# Altium PCB ESP32_ExtendBoard.PcbDoc
Units mm, origin at the board's own origin, x right, y up, seen from the top; angles counter-clockwise.
Board outline 62.23 x 50.8 mm, 2 copper layers (Top Layer, Bottom Layer), stack 1.071 mm thick; 15 components, 24 nets, 136 pads, 53 vias.
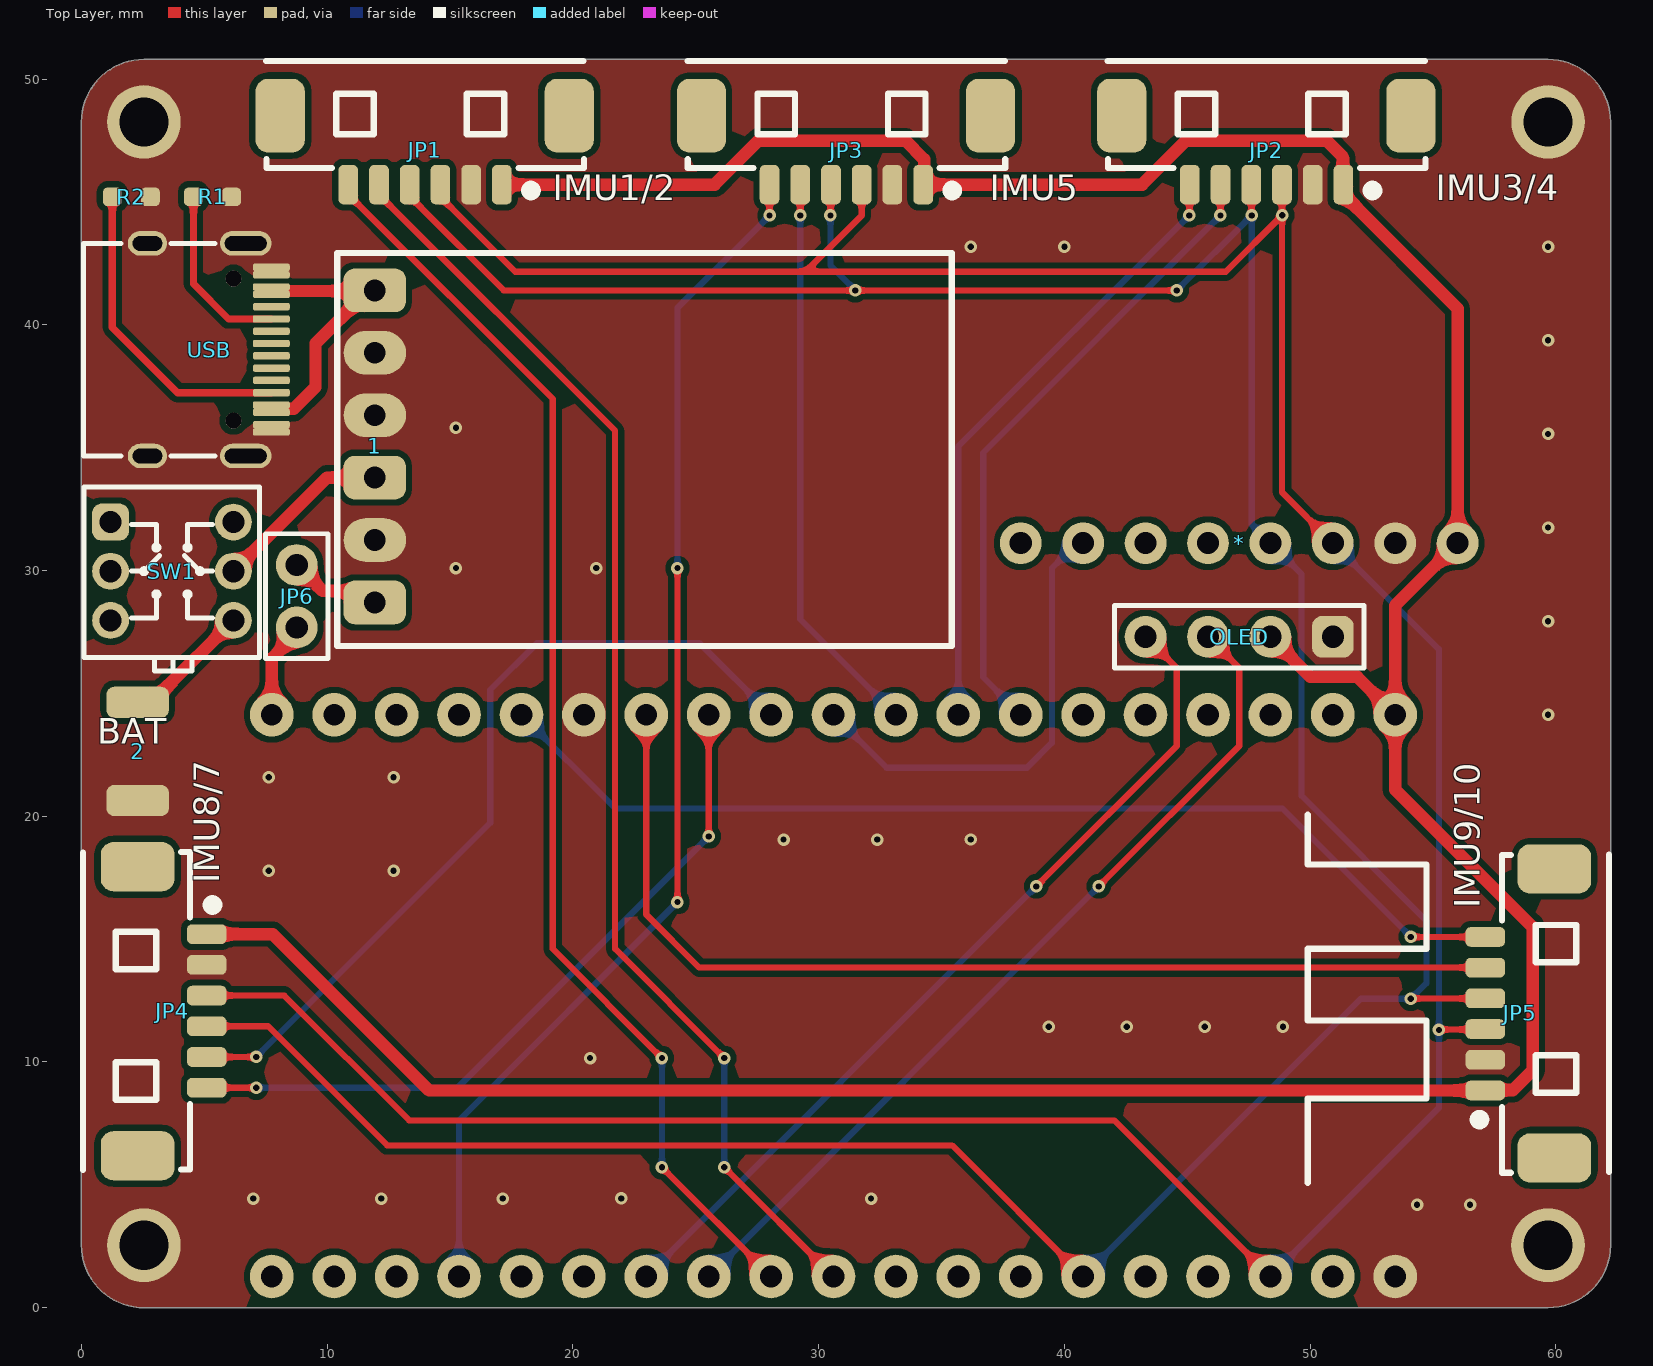
[diagram p0: Top Layer view]
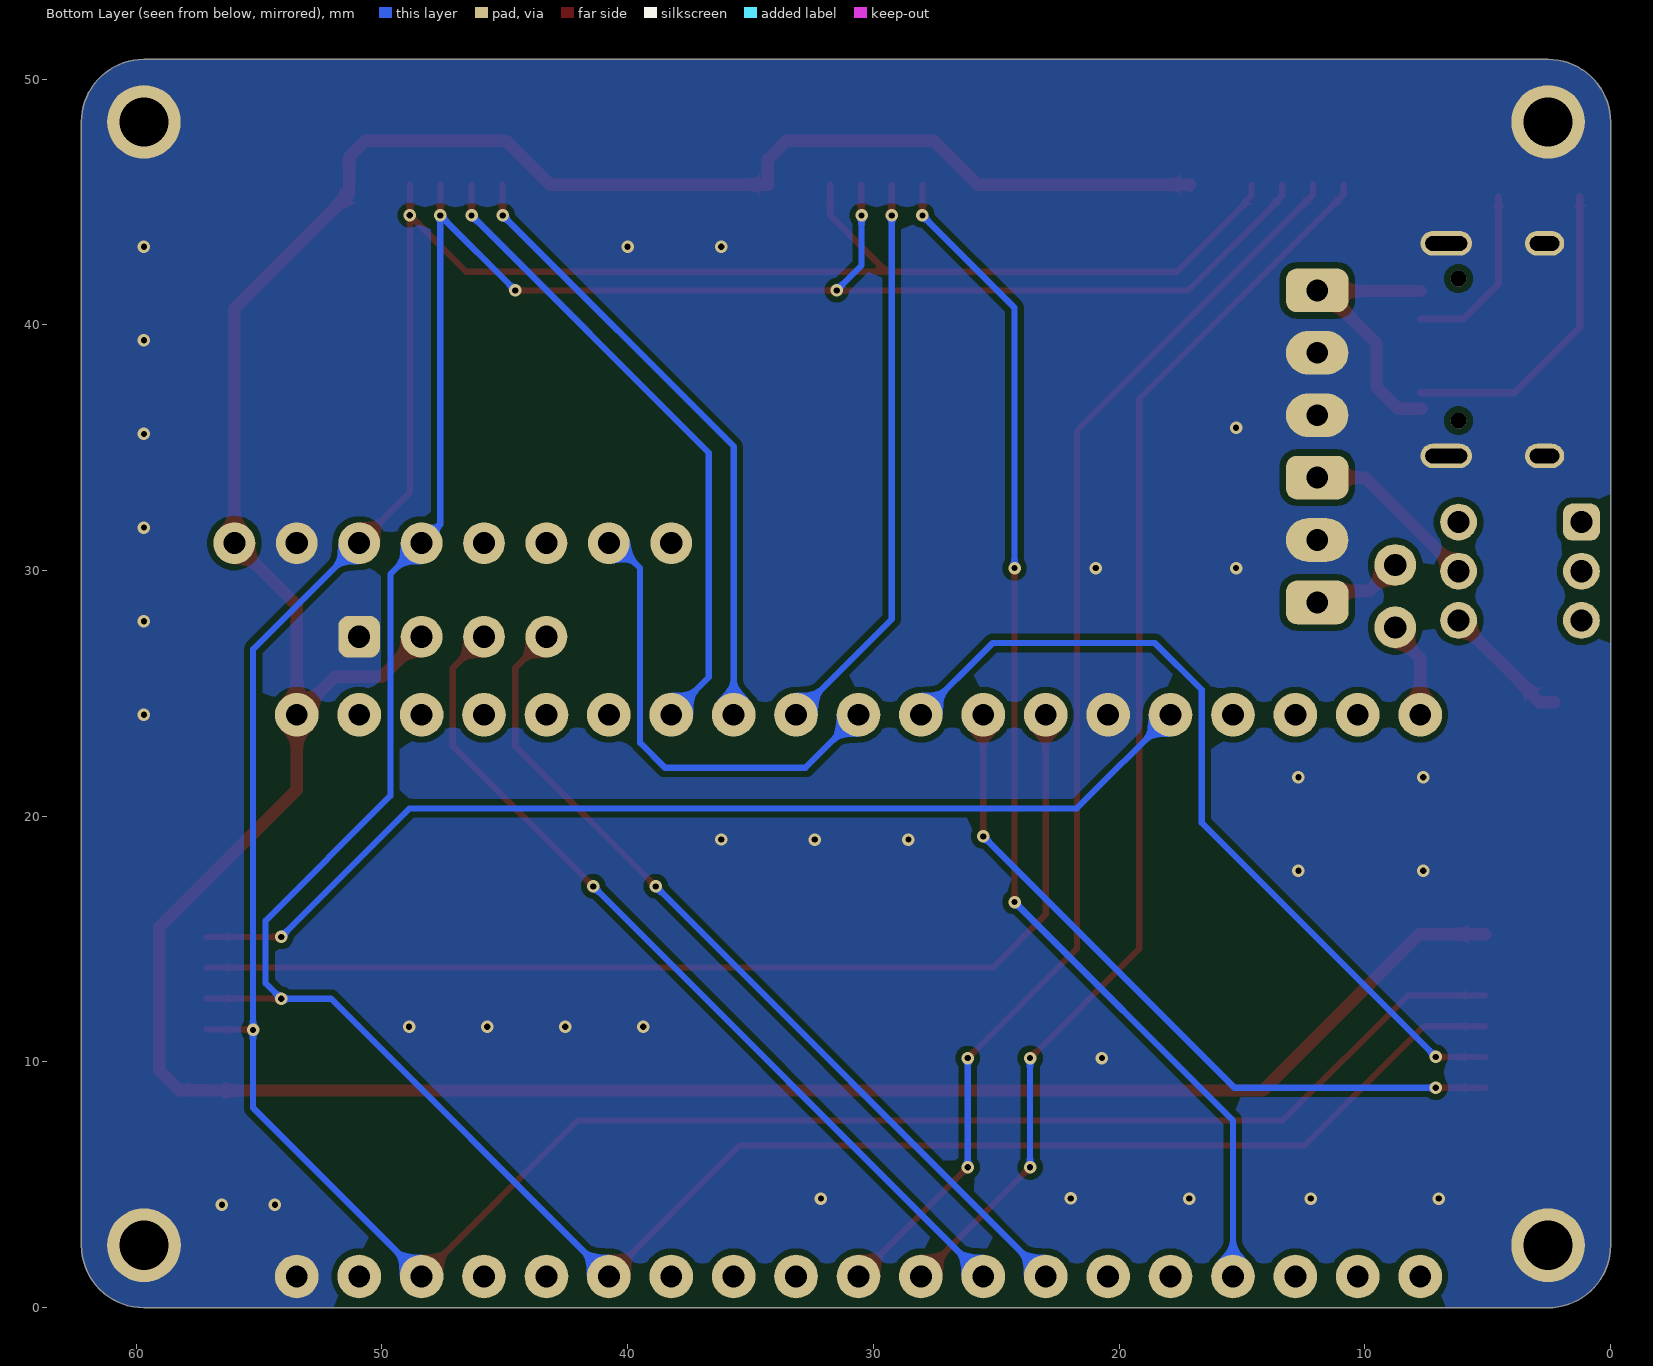
[diagram p1: Bottom Layer view, seen from below]

## Layer stack, top to bottom
Top Solder: solder mask 0.0102, Solder Resist, Dk 3.5
Top Layer: signal copper 0.0356
Dielectric 1: dielectric 1, FR-4, Dk 4.8
Bottom Layer: signal copper 0.0356
Bottom Solder: solder mask 0.0102, Solder Resist, Dk 3.5

## Board outline
2.54,-0.002 cw(c2.54,2.54) -0.002,2.54 0,2.542 0,48.26 cw(c2.542,48.26) 2.542,50.802 2.542,50.8 59.69,50.8 cw(c59.69,48.258) 62.232,48.258 62.23,48.26 62.23,2.54 cw(c59.688,2.54) 59.688,-0.002

## Design rules (kind name [scope] priority, off if disabled: settings)
Clearance [All] p1: gap=0.254 ignorepadtopadclearanceinfootprint=FALSE except(0: Arc-Hole Track-Hole SMDPad-Hole THPad-Hole Via-Hole Fill-Hole Poly-Hole Region-Hole Text-Hole; 0.152: Arc-SMDPad Track-SMDPad SMDPad-SMDPad)
PolygonConnect [All] p1: connectstyle=Direct reliefconductorwidth=0.254 reliefentries=4 polygonreliefangle="90 Angle" airgapwidth=0.254
RoutingVias [All] p1: holewidth=0.711 width=1.27 viastyle="Through Hole" minholewidth=0.711 minwidth=1.27 maxholewidth=0.711 maxwidth=1.27
SolderMaskExpansion [All] p1: expansion=0.102 istentingtop=FALSE
Width [All] p1: maxlimit=1.27 minlimit=0.254 preferedwidth=0.254 minimp=50.000000 maximp=50.000000 favimp=50.000000
30 further rules are at their usual default settings.

## Classes and differential pairs
component class ESP32_ExtendBoard: 1 2 * JP1 JP2 JP3 JP4 JP5 JP6 OLED R1 R2 SW1 USB

## Components (designator, comment, footprint, x,y, rotation, side; value= is the part's Value field where it differs from the comment)
1 "BAT-Manager-5V" BAT-Manager-5V 11.938,41.402 r180 top
2 "Battery" Battery 2.286,24.638 r180 top
* "MPU6050" PCBComponent_1 38.227,31.115 r0 top
JP1 "HDR-1X6" "MX 1.25-WS-6P" 13.97,48.514 r180 top
JP2 "HDR-1X6" "MX 1.25-WS-6P" 48.22,48.514 r180 top
JP3 "HDR-1X6" "MX 1.25-WS-6P" 31.115,48.514 r180 top
JP4 "HDR-1X6" "MX 1.25-WS-6P" 2.286,12.065 r270 top
JP5 "HDR-1X6" "MX 1.25-WS-6P" 59.944,11.978 r90 top
JP6 "HDR-1X2" HDR2.54-LI-2P 8.763,28.956 r270 top
OLED "HDR-1X4" HDR2.54-M-LI-4P 47.117,27.305 r180 top
R1 "5.1K" "R 0603_L" 5.334,45.212 r180 top
R2 "5.1K" "R 0603_L" 2.032,45.212 r180 top
SW1 "KFC 7X7" "KFC DIP-7X7" 3.683,29.972 r270 top
USB "Type-C-16p" Type-C-TOP 5.207,38.989 r180 top
? "NodeMCU-32S" NodeMCU-32S 7.747,24.13 r270 top locked

## Footprints (in the part's own frame and the unit in brackets; to place one, negate y for a bottom-side part, rotate by r counter-clockwise, add the part's x,y. Pads: shape width x height; smd on the part's side, far side on the other; paste and mask are expansions set on the pad)
BAT-Manager-5V [mil]
  rrect50% 100x70 hole 35: 1(0,0) 4(0,300) 6(0,500)
  oval 100x70 hole 35: 2(0,100) 3(0,200) 5(0,400)
  silkscreen extent -924,-60 60,570
Battery [mm]
  rrect50% 2.54x1.27 smd: 1(0,0) 2(0,4)
HDR2.54-LI-2P [mm] "排针，2脚"
  round 1.7 hole 0.9: 1(-1.27,0) 2(1.27,0)
  silkscreen extent -2.54,-1.27 2.54,1.27, body extent -2.54,-1.27 2.54,1.27, height 8.5
HDR2.54-M-LI-4P [mm] "排母，4脚"
  rrect50% 1.7x1.7 hole 0.9: 1(-3.81,0)
  round 1.7 hole 0.9: 2(-1.27,0) 3(1.27,0) 4(3.81,0)
  silkscreen extent -5.08,-1.27 5.08,1.27, body extent -5.08,-1.27 5.08,1.27, height 8.5
"KFC DIP-7X7" [mm] "自锁开关，规格：7*7mm"
  rrect50% 1.5x1.5 hole 0.9: 1(-2,-2.5)
  round 1.5 hole 0.9: 2(0,-2.5) 3(2,-2.5) 4(2,2.5) 5(0,2.5) 6(-2,2.5)
  silkscreen extent -3.42,-3.58 4.06,3.56, body extent -3.5,-3.5 3.5,3.5, height 11.2
"MX 1.25-WS-6P" [mm] "长：12.65mm，宽：4.2mm，高：3.4mm"
  rrect50% 2x3 smd: 0(-5.882,0) 0(5.882,0)
  rrect50% 0.8x1.6 smd: 1(-3.139,2.811) 2(-1.889,2.811) 3(-0.639,2.811) 4(0.611,2.811) 5(1.861,2.811) 6(3.111,2.811)
  silkscreen extent -6.48,-2.23 6.45,3.25, body extent -6.32,-2.1 6.32,3.09, height 3.4
NodeMCU-32S [mil]
  round 70 hole 35: 1(0,1800) 2(0,1700) 3(0,1600) 4(0,1500) 5(0,1400) 6(0,1300) 7(0,1200) 8(0,1100) 9(0,1000) 10(0,900) 11(0,800) 12(0,700) 13(0,600) 14(0,500) 15(0,400) 16(0,300) 17(0,200) 18(0,100) 19(0,0) 20(900,0) 21(900,100) 22(900,200) 23(900,300) 24(900,400) 25(900,500) 26(900,600) 27(900,700) 28(900,800) 29(900,900) 30(900,1000) 31(900,1100) 32(900,1200) 33(900,1300) 34(900,1400) 35(900,1500) 36(900,1600) 37(900,1700) 38(900,1800)
  silkscreen extent 160,1660 750,1850, body extent -49,-55 949,1855, height 335
PCBComponent_1 [mm]
  round 1.7 hole 0.9: 1(17.78,0) 2(15.24,0) 3(12.7,0) 4(10.16,0) 5(7.62,0) 6(5.08,0) 7(2.54,0) 8(0,0)
  body extent -1.53,-2.01 19.3,13.25, height 9.03
"R 0603_L" [mil] "1/10W贴片电阻"
  rrect50% 30x30 smd: 1(-30.59,0) 2(30.59,0)
  body extent -31,-16 32,16, height 16
Type-C-TOP [mm]
  round 0.65 hole 0.65: 0(-0.98,2.89) 0(-0.98,-2.89)
  oval 1.6x1 hole 0.6 slot 1.2 at 0 deg: 1(2.52,4.325) 2(2.52,-4.325)
  oval 2.1x1 hole 0.6 slot 1.7 at 0 deg: 3(-1.48,-4.325) 4(-1.48,4.325)
  rrect50% 1.5x0.3 smd: A1(-2.52,-3.35) A4(-2.52,-2.55) A5(-2.52,-1.25) A6(-2.52,-0.25) A7(-2.52,0.25) A8(-2.52,1.25) A9(-2.52,2.55) A12(-2.52,3.35) B1(-2.52,3.05) B4(-2.52,2.25) B5(-2.52,1.75) B6(-2.52,0.75) B7(-2.52,-0.75) B8(-2.52,-1.75) B9(-2.52,-2.25) B12(-2.52,-3.05)
  silkscreen extent -0.22,-4.33 5.12,4.33, body extent -2.57,-4.48 5.18,4.48, height 3.26

## Part data
JP1 JP2 JP3 JP4 JP5: library part "Header 6", "6P接插件", BOM名称=6P接插件, 学习资源=www.ooocke.com, 版权归属=源创客
JP6: library part "Header 2", "2P接插件", BOM名称=2P接插件, 学习资源=www.ooocke.com, 版权归属=源创客
OLED: library part "Header 4", "4P接插件", BOM名称=4P接插件, 学习资源=www.ooocke.com, 版权归属=源创客
R1 R2: library part R, "贴片电阻", BOM名称=贴片电阻, 学习资源=www.ooocke.com, 版权归属=源创客
SW1: "7*7自锁开关", BOM名称=7*7自锁开关, 学习资源=www.ooocke.com, 版权归属=源创客

## Free pads (board coordinates)
  round 3 hole 2: 1(2.54,2.54) 1(2.54,48.26) 1(59.688,2.54) 1(59.69,48.26)

## Via types
v1: diameter 0.508, hole 0.254, Top Layer to Bottom Layer, tented both sides, 53 vias

## Nets (pads, with @x,y where several pads share a name; then routed paths per layer and width w, separated by ;. In a path a pad name is that pad's centre, name@x,y a point inside that pad or via, vN(x,y) a via of type N, cw(c..) or ccw(c..) an arc to the next point about the centre after c; other vN are vias at no path point)
BAT_1: 2.1 SW1.4 | length 5.3
  Top Layer w0.508: 2.1 2.887,24.638 3.302,25.053 3.302,25.091 SW1.4
BAT_2: 1.4 SW1.5 | length 7.3
  Top Layer w0.508: SW1.5 9.993,33.782 1.4
GND: 1.2 1.3 1.5 2.2 *.2 ?.14 ?.38 JP1.2 JP2.2 JP3.2 JP4.2 JP5.2 OLED.1 pad.1 R1.1 R2.1 USB.1 USB.2 USB.3 USB.4 USB.A1 USB.A12 USB.B1 USB.B12
  other v1: 54.356,4.191 56.515,4.191 6.99,4.44 12.197,4.44 17.15,4.44 21.971,4.445 32.136,4.44 20.701,10.16 39.37,11.43 42.545,11.43 45.72,11.43 48.895,11.43 7.62,17.78 12.7,17.78 28.575,19.05 32.385,19.05 36.19,19.055 7.62,21.59 12.7,21.59 59.69,24.13 59.69,27.94 15.24,30.099 20.955,30.099 59.69,31.75 59.69,35.56 15.24,35.814 59.69,39.37 36.195,43.18 40.005,43.18 59.69,43.18
IMU1: ?.29 JP1.5 | length 52.1
  Top Layer w0.254: JP1.5 12.109,45.295 21.717,35.687 21.717,14.605 v1(26.162,10.16) ; v1(26.162,5.715) ?.29
  Bottom Layer w0.254: v1(26.162,5.715) v1(26.162,10.16)
IMU2: ?.28 JP1.6 | length 51.6
  Top Layer w0.254: JP1.6 10.859,45.303 19.177,36.985 19.177,14.605 v1(23.622,10.16) ; v1(23.622,5.715) ?.28
  Bottom Layer w0.254: v1(23.622,5.715) v1(23.622,10.16)
IMU3: ?.7 JP2.5 | length 26.2
  Top Layer w0.254: v1(46.355,44.45) 46.357,44.452 JP2.5 JP2.5
  Bottom Layer w0.254: ?.7 36.703,25.654 36.703,34.798 v1(46.355,44.45)
IMU4: ?.8 JP2.6 | length 25.5
  Top Layer w0.254: v1(45.085,44.45) 45.097,44.462 45.097,45.692 JP2.6
  Bottom Layer w0.254: ?.8 35.687,35.052 v1(45.085,44.45)
IMU5: ?.9 JP3.5 | length 23.2
  Top Layer w0.254: v1(29.254,44.45) JP3.5
  Bottom Layer w0.254: v1(29.254,44.45) 29.254,28.023 ?.9
IMU6: *.7 ?.10 | length 19
  Bottom Layer w0.254: ?.10 32.766,21.971 38.481,21.971 39.497,22.987 39.497,30.099 40.513,31.115 *.7
IMU7: ?.11 JP4.5 | length 34.3
  Top Layer w0.254: JP4.5 v1(7.112,10.204)
  Bottom Layer w0.254: v1(7.112,10.204) 16.637,19.729 16.637,25.146 18.542,27.051 25.146,27.051 ?.11
IMU8: ?.12 JP4.6 | length 29.6
  Top Layer w0.254: JP4.6 v1(7.112,8.954) ; v1(25.527,19.177) ?.12
  Bottom Layer w0.254: v1(7.112,8.954) 15.304,8.954 v1(25.527,19.177)
IMU9: ?.13 JP5.5 | length 43.2
  Top Layer w0.254: ?.13 22.987,16.002 25.146,13.843 57.13,13.843 JP5.5
IMU10: ?.15 JP5.6 | length 43
  Top Layer w0.254: v1(54.102,15.089) JP5.6
  Bottom Layer w0.254: ?.15 21.717,20.32 48.871,20.32 v1(54.102,15.089)
IMU11: ?.23 JP3.6 | length 49.7
  Top Layer w0.254: v1(24.257,16.51) v1(24.257,30.099) ; v1(28.004,44.45) JP3.6
  Bottom Layer w0.254: ?.23 15.367,7.62 v1(24.257,16.51) ; v1(24.257,30.099) 24.257,40.703 v1(28.004,44.45)
NetR1_2: R1.2 USB.A5 | length 7.3
  Top Layer w0.292: R1.2 4.557,41.671 5.989,40.239 USB.A5
NetR2_2: R2.2 USB.B5 | length 12.9
  Top Layer w0.292: R2.2 1.255,39.893 3.909,37.239 USB.B5
OLED_SCL: ?.27 OLED.3 | length 35.5
  Top Layer w0.254: v1(41.402,17.145) 47.117,22.86 47.117,26.035 OLED.3
  Bottom Layer w0.254: ?.27 v1(41.402,17.145)
OLED_SDA: ?.26 OLED.4 | length 35.5
  Top Layer w0.254: v1(38.862,17.145) 44.577,22.86 44.577,26.035 OLED.4
  Bottom Layer w0.254: ?.26 v1(38.862,17.145)
SCL: *.3 ?.36 JP1.3 JP2.3 JP3.3 JP4.3 JP5.3 | length 141.3
  Top Layer w0.254: JP4.3 8.251,12.704 13.335,7.62 42.037,7.62 ?.36 ; JP1.3 14.609,45.264 14.882,44.991 14.882,44.935 17.653,42.164 29.468,42.164 ; JP3.3 31.754,44.45 29.468,42.164 ; v1@48.859,44.466 JP2.3 ; v1(48.867,44.458) v1@48.859,44.45 ; *.3 48.859,33.183 v1@48.859,44.45 ; v1(55.245,11.303) 55.263,11.321 57.115,11.321 JP5.3 ; 29.468,42.164 46.573,42.164 v1@48.859,44.45
  Bottom Layer w0.254: ?.36 55.245,8.128 v1(55.245,11.303) 55.245,26.797 *.3
SDA: *.4 ?.33 JP1.4 JP2.4 JP3.4 JP4.4 JP5.4 | length 139.6
  Top Layer w0.254: JP4.4 7.596,11.454 12.446,6.604 35.433,6.604 ?.33 ; JP1.4 13.359,45.264 13.632,44.991 13.632,44.959 17.189,41.402 v1(31.496,41.402) v1(44.577,41.402) ; v1(30.48,44.45) 30.492,44.462 30.492,45.692 JP3.4 ; JP2.4 47.617,45.695 47.617,44.458 v1(47.625,44.45) ; v1(54.102,12.573) 54.11,12.581 57.125,12.581 JP5.4
  Bottom Layer w0.254: v1(30.48,44.45) 30.48,42.418 v1(31.496,41.402) ; ?.33 52.07,12.573 v1(54.102,12.573) 54.737,13.208 54.737,15.748 49.657,20.828 49.657,29.845 *.4 48.387,31.121 47.625,31.883 v1(47.625,44.45) v1(44.577,41.402)
VCC_3V3: *.1 ?.1 JP1.1 JP2.1 JP3.1 JP4.1 JP5.1 OLED.2 | length 143.3
  Top Layer w0.508: JP4.1 7.783,15.204 14.148,8.839 JP5.1 57.151,8.857 58.26,8.857 59.055,9.652 59.055,15.494 53.467,21.082 ?.1 ; JP1.1@17.145,45.667 JP1.1 25.764,45.703 27.559,47.498 33.528,47.498 34.29,46.736 34.29,45.74 JP3.1 43.163,45.703 44.958,47.498 50.673,47.498 51.341,46.83 51.341,45.721 JP2.1 51.359,45.303 56.007,40.655 *.1 53.467,28.575 ?.1 ; OLED.2 50.017,25.675 51.922,25.675 ?.1
VCC_5V: ?.19 JP6.2 | length 4
  Top Layer w0.508: ?.19 7.747,26.422 8.763,27.438 JP6.2
VOUT: 1.6 JP6.1 | length 3.8
  Top Layer w0.508: JP6.1 9.816,29.173 11.467,29.173 1.6
VUSB: 1.1 USB.A4 USB.A9 USB.B4 USB.B9 | length 10.7
  Top Layer w0.508: USB.A9@7.676,36.576 8.636,36.576 9.525,37.465 9.525,39.243 10.922,40.64 10.922,40.767 11.367,41.212 11.493,41.212 11.328,41.377 USB.B9@7.727,41.377
pads on no net: *.5 *.6 *.8 ?.2 ?.3 ?.4 ?.5 ?.6 ?.16 ?.17 ?.18 ?.20 ?.21 ?.22 ?.24 ?.25 ?.30 ?.31 ?.32 ?.34 ?.35 ?.37 JP1.0 JP2.0 JP3.0 JP4.0 JP5.0 SW1.1 SW1.2 SW1.3 SW1.6 USB.0 USB.A6 USB.A7 USB.A8 USB.B6 USB.B7 USB.B8

## Polygon pours and split planes (outlines as drawn)
GND on Top Layer "GND_L01_P000" (solid, remove dead copper, pour order 0): 2.54,-0.002 cw(c2.54,2.54) -0.002,2.54 0,2.542 0,48.26 cw(c2.542,48.26) 2.542,50.802 2.542,50.8 59.69,50.8 cw(c59.69,48.258) 62.232,48.258 62.23,48.26 62.23,2.54 cw(c59.688,2.54) 59.688,-0.002
GND on Bottom Layer "GND_L02_P001" (solid, remove dead copper, pour order 1): 2.54,-0.002 cw(c2.54,2.54) -0.002,2.54 0,2.542 0,48.26 cw(c2.542,48.26) 2.542,50.802 2.542,50.8 59.69,50.8 cw(c59.69,48.258) 62.232,48.258 62.23,48.26 62.23,2.54 cw(c59.688,2.54) 59.688,-0.002

## Silkscreen, mask and mechanical layers (free items; w line width, h text height)
Top Overlay:
  text "IMU1/2" at 19.177,44.725 h1.78
  text "IMU5" at 36.957,44.725 h1.78
  text "IMU3/4" at 55.118,44.725 h1.78
  text "BAT" at 0.635,22.606 h1.78
  text "IMU8/7" at 5.948,17.272 h1.78 r90
  text "IMU9/10" at 57.256,16.256 h1.78 r90
Mechanical 1:
  lines w0.254: -0.002,2.54 ccw(c2.54,2.54) 2.54,-0.002 59.69,-0.002 ; 0,2.542 0,48.26 cw(c2.542,48.26) 2.542,50.802 ; 2.542,50.8 59.69,50.8 cw(c59.69,48.258) 62.232,48.258 ; 59.688,-0.002 ccw(c59.688,2.54) 62.23,2.54 62.23,48.26